# KiCad board panel.kicad_pcb (continued)
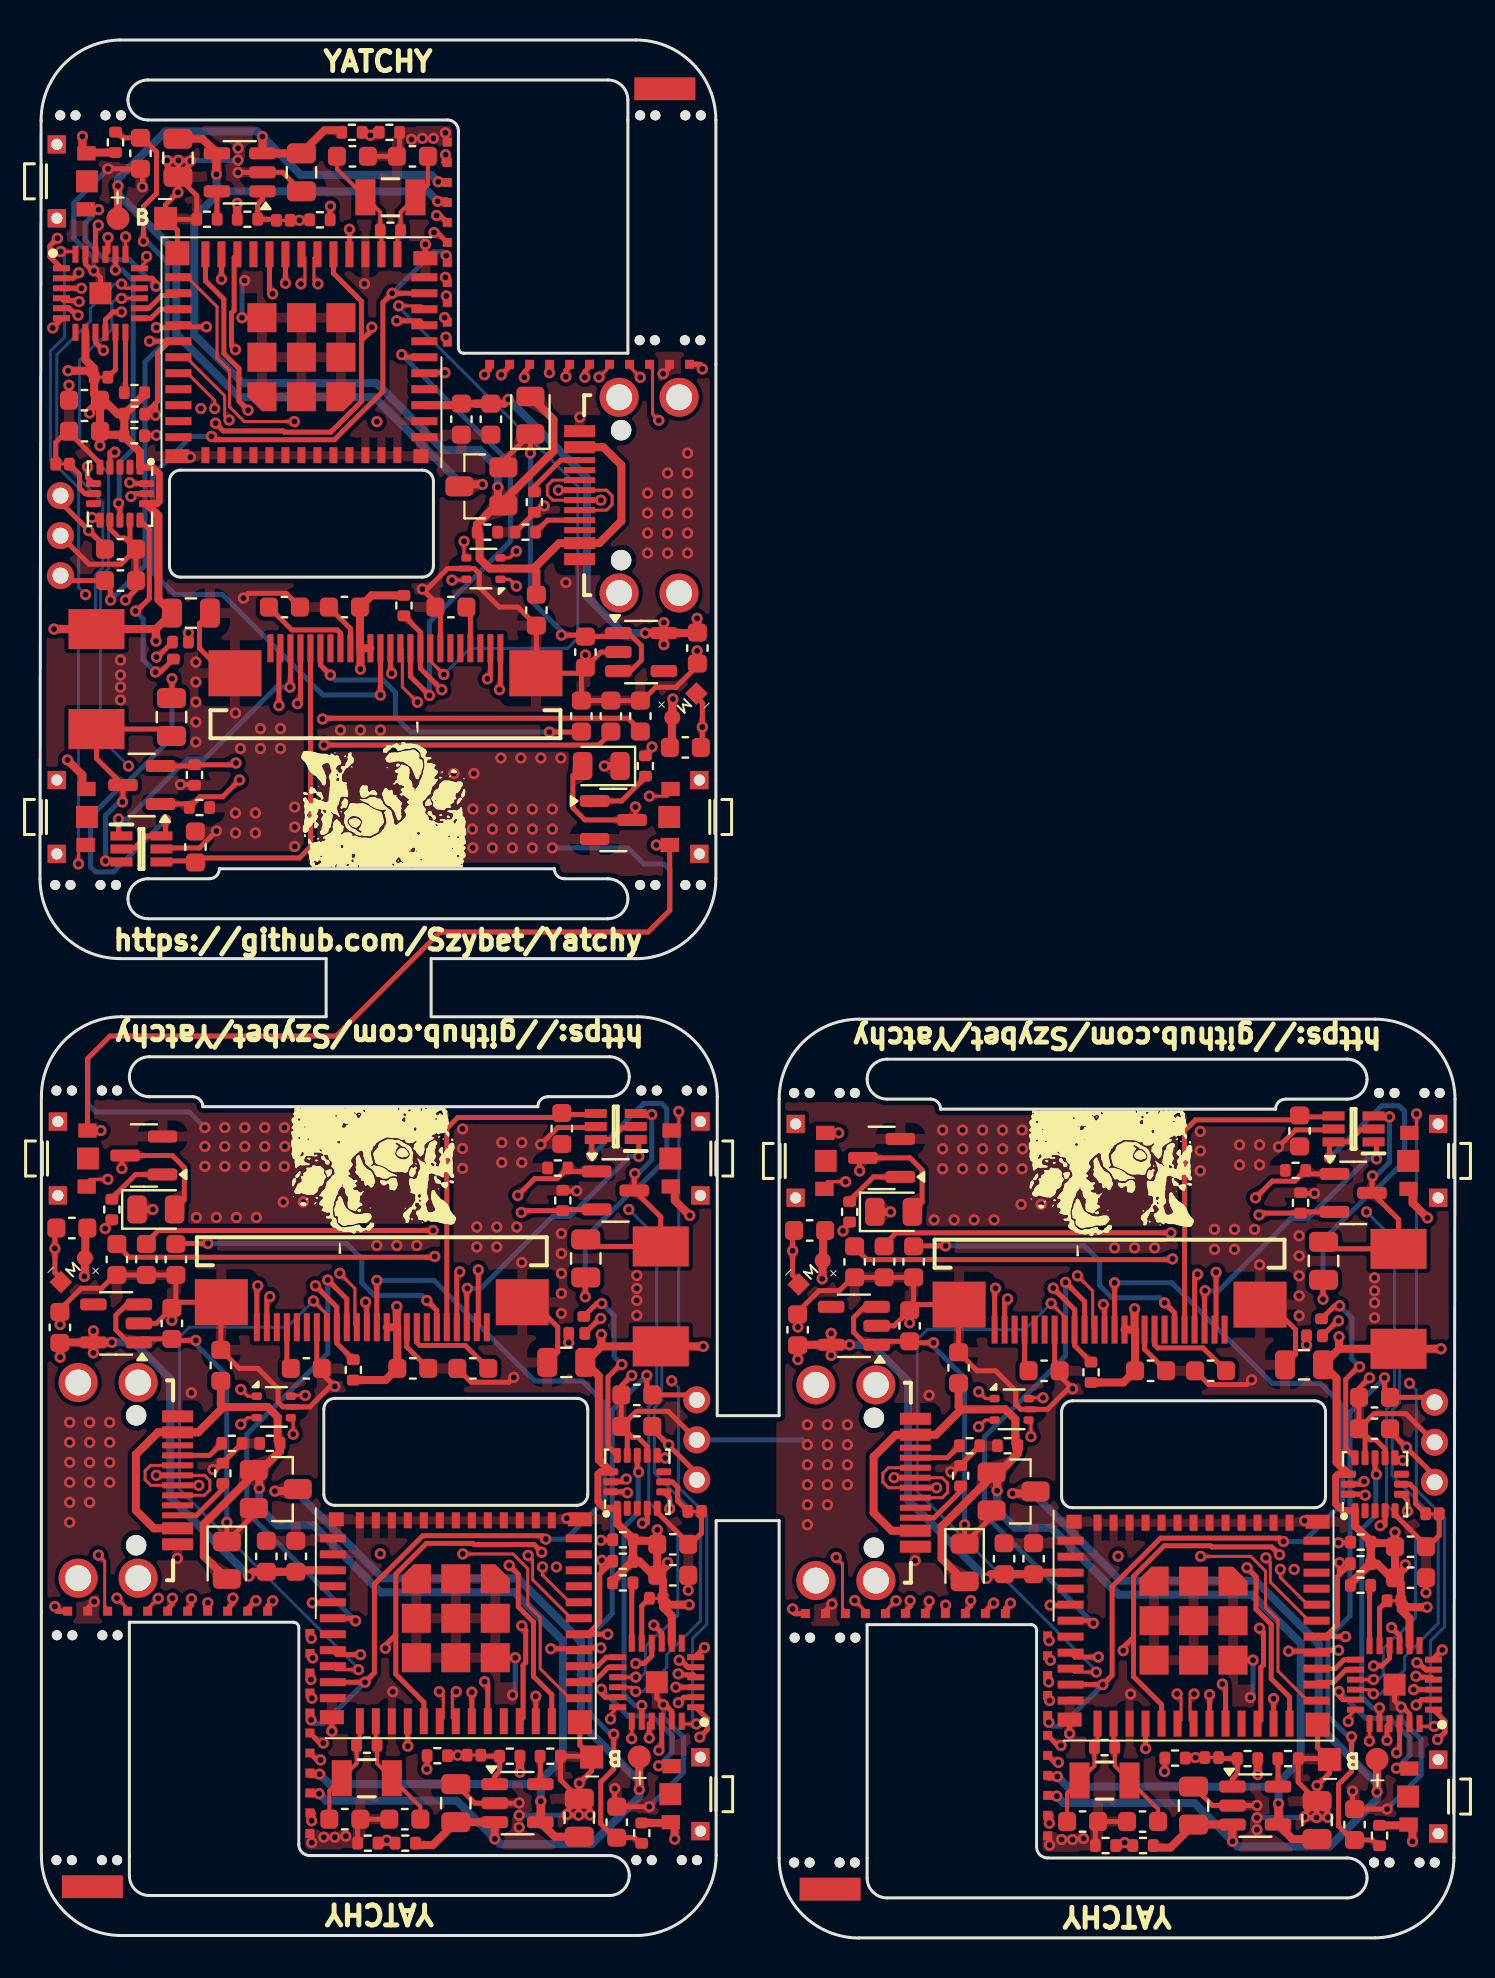
[diagram p0: board, top side]
## Routing (per net, layer and track width the routed paths; a pad name or vN(x,y) marks a point on that pad's centre or on a via; arc(x,y) is an arc through that point) (continued)
+BATT: length 161.7
  Top w0.4: 50.49,7.13 50.82,7.13 v1(50.85,7.1) ; v1(13.96,7.22) 13.93,7.25 13.59,7.25 ; Q4#2.3 21.08,72.72 v1(22.12,72.72) ; 18.78,4.65 19.64,4.65 C26#2.2 IC3#3.3 v1(22.74,4.96) ; Q4.3 49.69,22.24 v1(48.64,22.24) ; 15.09,90.43 14.22,90.43 C26.2 IC3.3 v1(11.12,90.12) ; 55.68,4.53 56.54,4.53 C26#3.2 IC3#2.3 v1(59.64,4.84) ; v1(66.87,7.31) BT1#3.1 ; Q4#3.3 12.79,22.36 v1(11.74,22.36) ; v1(19.91,87.86) 19.94,87.83 20.27,87.83 ; v1(29.97,7.43) BT1#2.1 ; v1(3.9,87.65) BT1.1
  Bottom w0.4: v1(50.85,7.1) 51.2,6.75 57.73,6.75 59.64,4.84 v1(59.64,4.84) 59.9,4.58 64.49,4.58 66.87,6.95 v1(66.87,7.31) 66.87,7.71 63.95,10.63 63.95,14.72 60.79,17.88 54.04,17.88 49.68,22.24 v1(48.64,22.24) ; v1(22.12,72.72) 21.08,72.72 16.72,77.08 9.97,77.08 6.82,80.23 6.82,84.32 3.9,87.24 v1(3.9,87.65) 3.9,88 6.27,90.38 10.86,90.38 v1(11.12,90.12) 11.12,90.11 13.03,88.2 19.57,88.2 v1(19.91,87.86) ; v1(11.74,22.36) 12.78,22.36 17.14,18 23.89,18 27.05,14.84 27.05,10.75 29.97,7.83 v1(29.97,7.43) 29.97,7.07 27.59,4.7 23.01,4.7 v1(22.74,4.96) 22.74,4.96 20.84,6.87 14.3,6.87 v1(13.96,7.22)
ACC_INT_1: length 42.6
  Top w0.25: v1(29.94,23.31) 29.87,23.37 AC1#3.11 ; v1(30.09,11.63) IC2.20 ; IC2#2.20 3.77,83.44 v1(3.77,83.44) ; v1(66.83,23.19) 66.77,23.25 AC1.11 ; AC1#2.11 4,71.7 v1(3.93,71.77) ; v1(66.99,11.51) IC2#3.20
  Bottom w0.25: v1(3.77,83.44) 4.12,83.44 4.66,82.9 4.66,74.5 3.96,73.8 3.96,73.8 3.96,71.79 v1(3.93,71.77) ; v1(66.99,11.51) 66.65,11.51 66.11,12.06 66.11,20.45 66.8,21.15 66.81,21.15 66.81,23.16 v1(66.83,23.19) ; v1(30.1,11.63) 29.75,11.63 29.21,12.18 29.21,20.57 29.91,21.27 29.91,21.27 29.91,23.28 v1(29.94,23.31)
ACC_INT_2: length 50
  Top w0.15: IC2#3.19 66.49,9.86 v1(66.48,9.85) ; IC2.19 29.59,9.98 v1(29.59,9.97) ; v1(31.26,24.01) 31.13,24.15 AC1#3.9 ; v1(2.61,71.06) 2.74,70.93 AC1#2.9 ; AC1.9 68.02,24.03 v1(68.16,23.89) ; IC2#2.19 4.27,85.1 v1(4.28,85.1)
  In1.Cu w0.15: v1(31.26,24.01) 31.97,23.3 31.97,17.62 31.94,17.59 31.94,17.2 31.97,17.17 31.97,15.57 30.62,14.23 30.62,11.25 29.59,10.21 v1(29.59,9.97) ; v1(66.48,9.85) 66.48,10.09 67.52,11.13 67.52,14.11 68.87,15.45 68.87,17.05 68.84,17.08 68.84,17.47 68.87,17.5 68.87,23.18 v1(68.16,23.89) ; v1(4.28,85.1) 4.28,84.87 3.24,83.83 3.24,80.85 1.9,79.5 1.9,77.91 1.92,77.88 1.92,77.48 1.9,77.45 1.9,71.78 v1(2.61,71.06)
ADC: length 22.3
  Top w0.25: 16.96,90.43 16.77,90.43 v1(16.52,90.18) 16.27,90.43 16.11,90.43 ; 17.76,4.65 17.59,4.65 v1(17.34,4.9) 17.09,4.65 16.9,4.65 ; 53.8,4.53 53.99,4.53 v1(54.24,4.78) 54.49,4.53 54.66,4.53 ; v1(55.29,9.48) U3.15 ; v1(15.47,85.48) U3#3.15 ; v1(18.39,9.6) U3#2.15
  In1.Cu w0.25: v1(55.29,9.48) 54.24,8.43 v1(54.24,4.78) ; v1(17.34,4.9) 17.34,8.55 v1(18.39,9.6) ; v1(15.47,85.48) 16.52,86.53 v1(16.52,90.18)
BTN_1: length 164.4
  Top w0.15: v1(4.07,82.02) 4.08,82.03 IC2#2.15 ; v1(30.47,57.12) 31.38,57.12 31.74,57.48 ; v1(66.69,12.93) 66.68,12.93 IC2#3.15 ; 39.03,37.48 39.39,37.83 v1(40.29,37.83) ; v1(3.39,37.95) 2.49,37.95 2.13,37.6 ; IC2.15 29.79,13.05 v1(29.79,13.05)
  In2.Cu w0.15: v1(4.42,58.63) 5.93,57.12 v1(30.47,57.12) ; v1(29.44,36.45) 27.94,37.95 v1(3.39,37.95) ; v1(66.34,36.33) 64.83,37.83 v1(40.29,37.83)
  Bottom w0.15: v1(66.34,36.33) 67.74,34.93 67.74,26.86 67.34,26.46 67.34,21.68 68.79,20.23 68.79,16.02 67.8,15.03 67.72,15.03 67.17,14.48 67.17,13.17 66.94,12.93 v1(66.69,12.93) ; v1(4.07,82.02) 3.83,82.02 3.59,81.79 3.59,80.48 3.04,79.93 2.96,79.93 1.97,78.94 1.97,74.73 3.42,73.28 3.42,68.5 3.02,68.1 3.02,60.03 v1(4.42,58.63) ; v1(29.79,13.05) 30.04,13.05 30.28,13.29 30.28,14.6 30.83,15.15 30.9,15.15 31.89,16.14 31.89,20.35 30.44,21.8 30.44,26.58 30.84,26.98 30.84,35.05 v1(29.44,36.45)
BTN_2: length 103
  Top w0.15: IC2.16 29.58,12.55 v1(29.79,12.33) ; v1(4.07,82.74) 4.29,82.53 IC2#2.16 ; IC2#3.16 66.48,12.43 v1(66.69,12.21) ; v1(1.92,53.73) 1.92,54.32 SW2#2.1 ; v1(31.94,41.35) 31.94,40.75 SW2#3.1 ; SW2.1 68.84,40.63 v1(68.84,41.23)
  Bottom w0.15: v1(31.94,41.35) 31.94,29.7 31.09,28.85 31.09,26.89 30.72,26.52 30.72,23.27 33.02,20.97 33.02,15.85 31.35,14.18 31.35,13.54 30.14,12.33 v1(29.79,12.33) 29.77,12.36 29.77,12.55 ; v1(1.92,53.73) 1.92,65.38 2.77,66.23 2.77,68.19 3.14,68.56 3.14,71.81 0.85,74.11 0.85,79.22 2.52,80.9 2.52,81.54 3.73,82.74 v1(4.07,82.74) 4.1,82.72 4.1,82.53 ; 66.67,12.43 66.67,12.24 v1(66.69,12.21) 67.04,12.21 68.24,13.42 68.24,14.06 69.92,15.73 69.92,20.85 67.62,23.15 67.62,26.4 67.99,26.77 67.99,28.73 68.84,29.58 v1(68.84,41.23)
BTN_3: length 24.8
  Top w0.25: v1(64.97,12.33) 64.97,12.12 65.16,11.93 IC2#3.17 ; IC2#2.17 5.6,83.03 5.8,82.83 v1(5.8,82.63) ; 2.08,86.48 2.1,86.46 v1(2.93,86.46) ; v1(30.94,8.61) 31.77,8.61 31.79,8.6 ; IC2.17 28.26,12.05 28.07,12.24 v1(28.07,12.45) ; 68.68,8.48 68.67,8.49 v1(67.83,8.49)
  Bottom w0.25: v1(64.97,12.33) 66.3,10.99 67.52,10.99 68.51,10 68.51,9.17 v1(67.83,8.49) ; v1(28.07,12.45) 29.41,11.11 30.62,11.11 31.62,10.12 31.62,9.29 v1(30.94,8.61) ; v1(5.8,82.63) 4.46,83.97 3.25,83.97 2.25,84.96 2.25,85.79 v1(2.93,86.46)
BTN_4: length 131.7
  Top w0.15: IC2.18 28.53,11.19 v1(28.53,10.95) ; v1(2.92,19.15) 3.24,18.84 3.24,16.62 3.38,16.47 ; v1(5.33,84.12) 5.33,83.89 IC2#2.18 ; 40.28,16.35 40.13,16.5 40.13,18.72 v1(39.82,19.03) ; IC2#3.18 65.43,11.07 v1(65.43,10.83) ; 30.48,78.6 30.63,78.46 30.63,76.24 v1(30.95,75.92)
  In1.Cu w0.15: v1(62.72,18.44) 62.72,15.66 61.17,14.11 61.17,11.56 61.99,10.75 65.35,10.75 v1(65.43,10.83) ; v1(5.33,84.12) 5.42,84.2 8.78,84.2 9.59,83.39 9.59,80.84 8.04,79.3 v1(8.04,76.51) ; v1(25.82,18.56) 25.82,15.78 24.28,14.23 24.28,11.68 25.09,10.87 28.45,10.87 v1(28.53,10.95)
  In2.Cu w0.15: v1(2.92,19.15) 3.19,19.43 3.19,20.87 4.09,21.77 12.55,21.77 13.15,21.17 25.43,21.17 26.66,19.93 26.66,19.4 v1(25.82,18.56) ; v1(30.95,75.92) 30.67,75.65 30.67,74.2 29.78,73.31 21.31,73.31 20.72,73.9 8.44,73.9 7.2,75.14 7.2,75.67 v1(8.04,76.51) ; v1(62.72,18.44) 63.56,19.28 63.56,19.81 62.32,21.05 50.05,21.05 49.45,21.65 40.98,21.65 40.09,20.75 40.09,19.31 v1(39.82,19.03)
BUSY: length 92.2
  Top w0.15: U3#2.9 14.82,13.42 v1(15.93,13.42) ; v1(13.67,31.87) 14.34,31.2 J5#2.17 ; U3.9 51.71,13.3 v1(52.83,13.3) ; v1(50.57,31.75) 51.24,31.08 J5.17 ; v1(20.2,63.2) 19.52,63.88 J5#3.17 ; U3#3.9 19.05,81.65 v1(17.94,81.65)
  Bottom w0.15: v1(20.2,63.2) 21.51,64.52 26.39,64.52 26.89,65.02 26.89,72.63 17.94,81.58 v1(17.94,81.65) ; v1(52.83,13.3) 52.83,13.37 43.87,22.33 43.87,29.94 44.37,30.44 49.25,30.44 v1(50.57,31.75) ; v1(13.67,31.87) 12.36,30.56 7.47,30.56 6.97,30.06 6.97,22.45 15.93,13.49 v1(15.93,13.42)
CLOCK_N: length 17.5
  Top w0.2: U3#2.13 16.79,9.71 R21#3.1 16.85,8.74 Y2#2.1 19.02,6.57 C19#3.1 ; C19.1 14.85,88.5 Y2.1 17.01,86.34 R21#2.1 17.07,85.37 U3#3.13 ; U3.13 53.69,9.59 R21.1 53.75,8.62 Y2#3.1 55.92,6.45 C19#2.1
CLOCK_P: length 16.6
  Top w0.2: U3#2.12 15.99,9.81 R21#3.2 15.83,8.74 Y2#2.2 15.09,7.99 14.47,7.37 C20#3.1 ; C20#2.1 51.37,7.25 51.99,7.87 Y2#3.2 52.73,8.62 R21.2 52.89,9.69 U3.12 ; U3#3.12 17.87,85.27 R21#2.2 18.03,86.34 Y2.2 19.4,87.7 C20.1
CS: length 124.8
  Top w0.15: v1(1.04,84.37) 1.64,84.37 IC2#2.24 ; v1(69.73,10.59) 69.13,10.59 IC2#3.24 ; J5#3.14 18.12,64.42 18.12,62.58 v1(18.88,61.82) ; v1(32.83,10.71) 32.23,10.71 IC2.24 ; v1(51.88,33.13) 52.65,32.37 52.65,30.53 J5.14 ; v1(14.99,33.25) 15.75,32.49 15.75,30.65 J5#2.14
  In2.Cu w0.15: v1(68.49,27.75) 67.16,29.08 55.27,29.08 54.03,30.32 54.03,31.62 52.52,33.13 v1(51.88,33.13) ; v1(31.59,27.87) 30.26,29.2 18.37,29.2 17.14,30.44 17.14,31.74 15.63,33.25 v1(14.99,33.25) ; v1(18.88,61.82) 18.24,61.82 16.73,63.33 16.73,64.64 15.5,65.87 3.61,65.87 v1(2.28,67.2)
  Bottom w0.15: v1(68.49,27.75) 68.83,27.41 68.83,22.43 70.24,21.02 70.24,15.57 69.54,14.87 69.54,10.84 69.69,10.69 ; v1(31.59,27.87) 31.93,27.53 31.93,22.55 33.34,21.14 33.34,15.69 32.64,14.99 32.64,10.96 32.79,10.81 ; v1(2.28,67.2) 1.93,67.55 1.93,72.53 0.52,73.94 0.52,79.38 1.23,80.09 1.23,84.12 1.07,84.27
DC: length 74.8
  Top w0.25: v1(19.48,62.16) 18.52,63.11 J5#3.15 ; U3.6 52.55,15.88 v1(52.68,15.75) ; v1(14.39,32.92) 15.34,31.96 J5#2.15 ; U3#3.6 18.21,79.08 v1(18.08,79.21) ; v1(51.29,32.8) 52.24,31.84 J5.15 ; v1(15.78,15.87) 15.65,16 U3#2.6
  Bottom w0.25: v1(52.68,15.75) 47.24,21.18 47.24,25.08 51.29,29.13 v1(51.29,32.8) ; v1(18.08,79.21) 23.52,73.77 23.52,69.87 19.48,65.83 v1(19.48,62.16) ; v1(15.78,15.87) 10.35,21.3 10.35,25.2 14.39,29.25 v1(14.39,32.92)
DN: length 61
  Top w0.15: v1(21.21,69.87) 21.21,69.16 U1.4 ; v1(13.9,82.75) 13.7,82.95 13.7,84.06 U3#3.17 ; U1#2.4 49.56,25.79 v1(49.56,25.08) ; v1(56.87,12.21) 57.07,12.01 57.07,10.9 U3.17 ; U1#3.4 12.66,25.91 v1(12.66,25.2) ; U3#2.17 20.17,11.02 20.17,12.13 v1(19.97,12.33)
  In1.Cu w0.15: v1(19.97,12.33) 20.17,12.53 20.17,13.8 15.63,18.34 arc(15.46,18.41) 15.29,18.34 15.17,18.23 arc(15,18.16) 14.83,18.23 14.75,18.31 arc(14.68,18.48) 14.75,18.65 14.86,18.77 arc(14.93,18.94) 14.86,19.11 14.78,19.19 arc(14.61,19.26) 14.44,19.19 14.32,19.08 arc(14.15,19.01) 13.99,19.08 13.9,19.16 arc(13.83,19.33) 13.9,19.5 14.01,19.62 arc(14.09,19.79) 14.01,19.96 13.02,20.95 13.02,24.85 v1(12.66,25.2) ; v1(49.56,25.08) 49.91,24.73 49.91,20.83 50.91,19.84 arc(50.98,19.67) 50.91,19.5 50.8,19.38 arc(50.73,19.21) 50.8,19.04 50.88,18.96 arc(51.05,18.89) 51.22,18.96 51.33,19.07 arc(51.5,19.14) 51.67,19.07 51.76,18.99 arc(51.83,18.82) 51.76,18.65 51.64,18.53 arc(51.57,18.36) 51.64,18.19 51.73,18.11 arc(51.9,18.04) 52.07,18.11 52.18,18.22 arc(52.35,18.29) 52.52,18.22 57.07,13.68 57.07,12.41 v1(56.87,12.21) ; v1(21.21,69.87) 20.85,70.23 20.85,74.12 19.85,75.12 arc(19.78,75.29) 19.85,75.46 19.97,75.57 arc(20.04,75.74) 19.97,75.91 19.88,76 arc(19.71,76.07) 19.54,76 19.43,75.88 arc(19.26,75.81) 19.09,75.88 19.01,75.97 arc(18.94,76.14) 19.01,76.31 19.12,76.42 arc(19.19,76.59) 19.12,76.76 19.04,76.85 arc(18.87,76.92) 18.7,76.85 18.58,76.73 arc(18.41,76.66) 18.24,76.73 13.7,81.28 13.7,82.55 v1(13.9,82.75)
DP: length 61
  Top w0.15: U1#3.6 12.58,27.15 v1(13.27,27.15) ; v1(57.72,12.21) 57.52,12.01 57.52,10.9 U3.18 ; U1#2.6 49.48,27.03 v1(50.16,27.03) ; v1(20.82,12.33) 20.62,12.13 20.62,11.02 U3#2.18 ; U3#3.18 13.25,84.06 13.25,82.95 v1(13.05,82.75) ; U1.6 21.28,67.93 v1(20.6,67.93)
  In1.Cu w0.15: v1(13.05,82.75) 13.25,82.55 13.25,81.09 20.4,73.94 20.4,68.13 v1(20.6,67.93) ; v1(57.72,12.21) 57.52,12.41 57.52,13.87 50.36,21.02 50.36,26.83 v1(50.16,27.03) ; v1(20.82,12.33) 20.62,12.53 20.62,13.99 13.47,21.14 13.47,26.95 v1(13.27,27.15)
EN: length 141.2
  Top w0.25: 3.85,90.34 4.13,90.05 5.12,90.05 5.82,89.35 5.82,87.27 5.17,86.62 v1(5.17,84.88) ; v1(17.84,80.9) 19,80.9 U3#3.8 ; v1(52.93,14.06) 51.76,14.06 U3.8 ; U3#2.8 14.86,14.18 v1(16.03,14.18) ; v1(28.69,10.2) 28.69,8.46 28.04,7.81 28.04,5.72 28.74,5.02 29.73,5.02 30.02,4.74 ; v1(65.59,10.08) 65.59,8.34 64.94,7.69 64.94,5.6 65.64,4.9 66.63,4.9 66.92,4.62 ; J26#2.1 32.59,27.17 C18#3.2 30.34,27.45 v1(30.34,28.15) ; v1(3.52,66.93) 3.52,67.63 C18.2 1.27,67.9 J26.1 ; v1(67.24,28.03) 67.24,27.33 C18#2.2 69.49,27.05 J26#3.1
  In1.Cu w0.25: v1(65.59,10.08) 56.57,10.08 56.29,10.35 56.29,12.13 55.44,12.98 54.01,12.98 v1(52.93,14.06) ; v1(17.84,80.9) 16.76,81.98 15.32,81.98 14.48,82.83 14.48,84.6 14.2,84.88 v1(5.17,84.88) ; v1(28.69,10.2) 19.67,10.2 19.39,10.47 19.39,12.25 18.54,13.1 17.11,13.1 v1(16.03,14.18)
  Bottom w0.25: v1(30.34,28.15) 28.62,26.42 28.62,16.23 27.51,15.13 27.51,11.22 28.53,10.2 v1(28.69,10.2) ; v1(65.59,10.08) 65.43,10.08 64.41,11.1 64.41,15.01 65.52,16.11 65.52,26.3 v1(67.24,28.03) ; v1(5.17,84.88) 5.33,84.88 6.35,83.86 6.35,79.95 5.25,78.84 5.25,68.65 v1(3.52,66.93)
GDR: length 67
  Top w0.25: v1(9.97,57.93) 9.13,57.09 8,57.09 R8#2.1 7.29,56.73 Q1.1 ; J5#2.24 10.84,32.58 v1(10.89,32.63) ; v1(47.79,32.51) 47.74,32.46 J5.24 ; Q1#2.1 63.48,38.23 R8#3.1 62.77,37.87 61.63,37.87 v1(60.79,37.03) ; v1(23.89,37.15) 24.73,37.99 25.87,37.99 R8.1 26.58,38.35 Q1#3.1 ; v1(22.98,62.45) 23.02,62.49 J5#3.24
  In2.Cu w0.25: v1(47.79,32.51) 47.79,33.42 51.69,37.33 60.49,37.33 v1(60.79,37.03) ; v1(22.98,62.45) 22.98,61.53 19.07,57.63 10.27,57.63 v1(9.97,57.93) ; v1(23.89,37.15) 23.59,37.45 14.79,37.45 10.89,33.54 v1(10.89,32.63)
GPIO9: length 65.8
  Top w0.25: C1#2.1 30.62,25.47 ; 30.62,25.47 31.42,24.67 v1(31.44,24.67) ; 30.62,25.47 32.84,23.25 J26#2.3 ; v1(68.34,24.55) 68.32,24.55 67.52,25.35 ; v1(2.43,70.41) 2.45,70.41 3.25,69.6 ; J26#3.3 69.74,23.13 67.52,25.35 ; C1#3.1 3.25,69.6 ; 3.25,69.6 1.02,71.83 J26.3 ; 67.52,25.35 C1.1 ; v1(24.79,12.1) U3#2.23 ; v1(61.69,11.98) U3.23 ; v1(9.07,82.98) U3#3.23
  In1.Cu w0.25: v1(24.79,12.1) 24.79,12.2 26.99,14.39 26.99,19.63 27.96,20.6 28.72,20.6 30.72,22.6 30.72,24.22 31.04,24.54 31.31,24.54 v1(31.44,24.67) ; v1(68.34,24.55) 68.21,24.42 67.94,24.42 67.62,24.1 67.62,22.48 65.61,20.48 64.85,20.48 63.89,19.51 63.89,14.27 61.69,12.08 v1(61.69,11.98) ; v1(2.43,70.41) 2.56,70.54 2.83,70.54 3.14,70.86 3.14,72.47 5.15,74.48 5.91,74.48 6.88,75.45 6.88,80.68 9.07,82.88 v1(9.07,82.98)
INT_A: length 6.8
  Top w0.25: U3#3.26 6.81,82.16 6.08,82.16 5.44,81.53 IC2#2.14 ; U3#2.26 27.06,12.91 27.79,12.91 28.42,13.55 IC2.14 ; U3.26 63.96,12.79 64.69,12.79 65.32,13.43 IC2#3.14
INT_B: length 6.4
  Top w0.25: IC2#2.13 5.54,81.03 5.99,81.48 U3#3.27 ; IC2#3.13 65.22,13.93 64.77,13.48 U3.27 ; U3#2.27 27.87,13.6 28.32,14.05 IC2.13
MOD_CS: length 83.3
  Top w0.25: 13.59,13.25 13.59,12.98 v1(13.55,12.93) ; IC2#3.1 70.27,10.85 70.27,10.3 v1(69.89,9.93) ; v1(33,10.05) 33.37,10.42 33.37,10.97 IC2.1 ; v1(20.32,82.14) 20.27,82.1 20.27,81.83 ; v1(50.45,12.81) 50.49,12.86 50.49,13.13 ; IC2#2.1 0.5,84.11 0.5,84.65 v1(0.87,85.03)
  In2.Cu w0.25: v1(69.89,9.93) 69.52,9.93 68.62,10.83 66.29,10.83 65.96,11.16 65.96,15.17 65.48,15.66 64.88,15.66 64.15,14.93 55.08,14.93 54.85,15.15 54.13,15.15 53.68,14.7 52.64,14.7 50.75,12.81 v1(50.45,12.81) ; v1(13.55,12.93) 13.86,12.93 15.75,14.82 16.78,14.82 17.23,15.27 17.96,15.27 18.18,15.05 27.25,15.05 27.98,15.78 28.58,15.78 29.06,15.29 29.06,11.28 29.39,10.95 31.72,10.95 32.62,10.05 v1(33,10.05) ; v1(0.87,85.03) 1.24,85.03 2.15,84.13 4.48,84.13 4.81,83.8 4.81,79.78 5.29,79.3 5.89,79.3 6.62,80.03 15.69,80.03 15.91,79.8 16.64,79.8 17.09,80.25 18.12,80.25 20.01,82.14 v1(20.32,82.14)
MOD_ExB2: length 70.8
  Top w0.25: v1(68.82,11.65) 69.09,11.93 IC2#3.2 ; v1(13.57,14.99) 13.57,15.17 J20#2.1 ; v1(31.92,11.77) 32.2,12.05 IC2.2 ; v1(50.47,14.87) 50.47,15.05 J20#3.1 ; J20.1 20.3,79.91 v1(20.3,80.08) ; v1(1.94,83.3) 1.67,83.03 IC2#2.2
  In2.Cu w0.25: v1(68.82,11.65) 68.71,11.65 67.25,13.12 67.25,14.5 65.42,16.33 52.03,16.33 51.8,16.1 51.8,15.02 51.65,14.87 v1(50.47,14.87) ; v1(1.94,83.3) 2.05,83.3 3.51,81.84 3.51,80.46 5.34,78.63 18.73,78.63 18.96,78.86 18.96,79.94 19.11,80.08 v1(20.3,80.08) ; v1(13.57,14.99) 14.76,14.99 14.9,15.14 14.9,16.22 15.13,16.45 28.53,16.45 30.35,14.62 30.35,13.24 31.82,11.77 v1(31.92,11.77)
MOD_ExB3: length 108.8
  Top w0.25: 33.03,78.73 32.49,78.73 J21#2.1 32.89,78.72 v1(33.13,78.49) ; 37.73,16.23 38.28,16.23 J21#3.1 37.87,16.23 v1(37.64,16.46) ; IC2.3 v1(31.8,12.55) ; 0.83,16.35 1.38,16.35 J21.1 0.98,16.35 v1(0.74,16.58) ; IC2#2.3 v1(2.07,82.53) ; IC2#3.3 v1(68.69,12.43)
  In2.Cu w0.25: v1(31.8,12.55) 31.64,12.55 30.77,13.42 30.77,14.68 28.61,16.85 14.67,16.85 14.05,16.23 1.1,16.23 v1(0.74,16.58) ; v1(2.07,82.53) 2.22,82.53 3.1,81.65 3.1,80.39 5.26,78.23 19.2,78.23 19.82,78.85 32.77,78.85 v1(33.13,78.49) ; v1(37.64,16.46) 37.99,16.11 50.94,16.11 51.56,16.73 65.5,16.73 67.67,14.56 67.67,13.3 68.54,12.43 v1(68.69,12.43)
MOD_ExB4: length 75.4
  Top w0.25: IC2.4 32.68,13.16 31.97,13.16 v1(31.91,13.22) ; v1(1.95,81.86) 1.9,81.91 1.19,81.91 IC2#2.4 ; 11.39,16.47 11.39,16.62 v1(11.64,16.87) ; IC2#3.4 69.57,13.04 68.86,13.04 v1(68.81,13.1) ; v1(48.54,16.75) 48.29,16.5 48.29,16.35 ; v1(22.23,78.21) 22.47,78.45 22.47,78.6
  In2.Cu w0.25: v1(11.64,16.87) 12.07,17.3 28.64,17.3 29.04,16.9 30.28,16.9 31.34,15.83 31.34,13.99 31.17,13.82 31.17,13.64 31.6,13.22 v1(31.91,13.22) ; v1(22.23,78.21) 21.8,77.78 5.23,77.78 4.83,78.18 3.59,78.18 2.52,79.24 2.52,81.08 2.7,81.25 2.7,81.43 2.27,81.86 v1(1.95,81.86) ; v1(68.81,13.1) 68.5,13.1 68.07,13.52 68.07,13.7 68.24,13.87 68.24,15.71 67.17,16.78 65.93,16.78 65.53,17.18 48.96,17.18 v1(48.54,16.75)
MOD_ExB5: length 77.2
  Top w0.25: 10.38,16.47 10.79,16.88 v1(10.8,16.88) ; 47.28,16.35 47.69,16.76 v1(47.7,16.76) ; IC2.5 32.4,13.55 32.05,13.9 v1(31.96,13.9) ; IC2#2.5 1.46,81.53 1.81,81.18 v1(1.9,81.18) ; v1(23.07,78.2) 23.08,78.2 23.48,78.6 ; IC2#3.5 69.3,13.43 68.95,13.78 v1(68.86,13.78)
  In2.Cu w0.25: v1(23.07,78.2) 22.27,77.4 3.8,77.4 1.9,79.29 v1(1.9,81.18) ; v1(68.86,13.78) 68.86,15.66 66.97,17.56 48.5,17.56 v1(47.7,16.76) ; v1(10.8,16.88) 11.6,17.68 30.07,17.68 31.96,15.78 v1(31.96,13.9)
MOD_ExB6: length 81.2
  Top w0.25: IC2.6 32.79,14.09 v1(33.23,14.53) ; 9.38,16.47 9.65,16.74 v1(9.65,17) ; v1(46.55,16.88) 46.55,16.62 46.28,16.35 ; 24.48,78.6 24.22,78.34 v1(24.22,78.07) ; IC2#2.6 1.07,80.98 v1(0.64,80.54) ; v1(70.13,14.41) 69.69,13.97 IC2#3.6
  In2.Cu w0.25: v1(0.64,80.54) 0.64,79.99 3.57,77.06 22.74,77.06 23.48,77.8 23.94,77.8 v1(24.22,78.07) ; v1(70.13,14.41) 70.13,14.96 67.19,17.9 48.02,17.9 47.28,17.16 46.82,17.16 v1(46.55,16.88) ; v1(9.65,17) 9.92,17.28 10.38,17.28 11.12,18.02 30.3,18.02 33.23,15.08 v1(33.23,14.53)
MOD_IO15: length 64.7
  Top w0.25: 44.28,16.35 44.47,16.54 v1(44.47,16.85) ; U3#3.20 11.47,82.41 v1(11.63,82.25) ; 26.48,78.6 26.3,78.42 v1(26.3,78.1) ; 7.38,16.47 7.57,16.66 v1(7.57,16.97) ; U3.20 59.29,12.55 v1(59.13,12.71) ; U3#2.20 22.39,12.67 v1(22.23,12.83)
  In1.Cu w0.25: v1(59.13,12.71) 59.13,13.89 v1(53.92,19.1) ; v1(11.63,82.25) 11.63,81.07 v1(16.85,75.85) ; v1(17.02,19.22) 22.23,14.01 v1(22.23,12.83)
  In2.Cu w0.25: v1(26.3,78.1) 24.05,75.85 v1(16.85,75.85) ; v1(53.92,19.1) 46.72,19.1 v1(44.47,16.85) ; v1(17.02,19.22) 9.82,19.22 v1(7.57,16.97)
MOD_IO18: length 75.1
  Top w0.25: v1(60.36,18.53) 60.82,18.07 60.82,16.45 61.57,15.69 61.57,12.97 62.49,12.05 U3.24 ; U3#2.24 25.59,12.17 24.68,13.09 24.68,15.81 23.92,16.57 23.92,18.19 v1(23.46,18.65) ; 45.28,16.35 45.29,16.36 v1(45.29,16.65) ; v1(25.47,78.3) 25.47,78.59 25.48,78.6 ; v1(10.41,76.43) 9.95,76.89 9.95,78.51 9.19,79.27 9.19,81.98 8.27,82.9 U3#3.24 ; v1(8.39,16.77) 8.39,16.48 8.38,16.47
  In2.Cu w0.25: v1(8.39,16.77) 8.39,17.14 9.9,18.65 v1(23.46,18.65) ; v1(45.29,16.65) 45.29,17.02 46.8,18.53 v1(60.36,18.53) ; v1(10.41,76.43) 23.96,76.43 25.47,77.94 v1(25.47,78.3)
MOD_IO19: length 83.8
  Top w0.15: v1(12.72,75.86) 10.22,75.86 9.47,76.6 9.47,78.42 8.85,79.05 8.85,81.6 7.37,83.08 U3#3.25 ; v1(58.04,19.09) 60.55,19.09 61.29,18.35 61.29,16.53 61.91,15.91 61.91,13.35 63.39,11.88 U3.25 ; v1(21.15,19.21) 23.65,19.21 24.39,18.47 24.39,16.65 25.02,16.03 25.02,13.47 26.49,12 U3#2.25
  Top w0.25: 27.48,78.6 27.25,78.37 v1(27.25,78.08) ; v1(6.62,17) 6.62,16.71 6.38,16.47 ; 43.28,16.35 43.52,16.59 v1(43.52,16.88)
  In2.Cu w0.25: v1(12.72,75.86) 13.33,75.26 24.43,75.26 v1(27.25,78.08) ; v1(58.04,19.09) 57.44,19.7 46.34,19.7 v1(43.52,16.88) ; v1(6.62,17) 9.44,19.82 20.54,19.82 v1(21.15,19.21)
MOD_MISO: length 50
  Top w0.25: v1(9.77,79.45) 9.57,79.65 9.57,81.29 9.71,81.42 9.71,84.06 U3#3.22 ; 13.59,14.25 13.59,14.05 v1(13.64,14.01) ; v1(50.53,13.89) 50.49,13.93 50.49,14.13 ; 20.27,80.83 20.27,81.02 v1(20.23,81.06) ; U3#2.22 24.16,11.01 24.16,13.65 24.29,13.79 24.29,15.42 v1(24.09,15.62) ; v1(60.99,15.5) 61.19,15.3 61.19,13.67 61.06,13.53 61.06,10.89 U3.22
  In2.Cu w0.25: v1(9.77,79.45) 10.15,79.08 16.57,79.08 17.33,79.83 18.29,79.83 19.52,81.06 v1(20.23,81.06) ; v1(50.53,13.89) 51.24,13.89 52.48,15.13 53.44,15.13 54.19,15.88 60.61,15.88 v1(60.99,15.5) ; v1(13.64,14.01) 14.35,14.01 15.58,15.25 16.54,15.25 17.29,16 23.72,16 v1(24.09,15.62)
MOD_RX: length 76.7
  Top w0.15: U3.30 63.46,15.88 61.53,17.81 61.53,18.8 v1(61.31,19.02) ; v1(9.46,75.93) 9.23,76.16 9.23,77.15 7.3,79.08 U3#3.30 ; 42.28,16.35 42.8,16.87 v1(42.81,16.87) ; v1(24.41,19.14) 24.63,18.92 24.63,17.93 26.56,16 U3#2.30 ; v1(5.92,16.99) 5.91,16.99 5.38,16.47 ; 28.48,78.6 27.96,78.08 v1(27.95,78.08)